# Altium PCB PIFWRobot.PcbDoc (part 1 of 2) (continued)
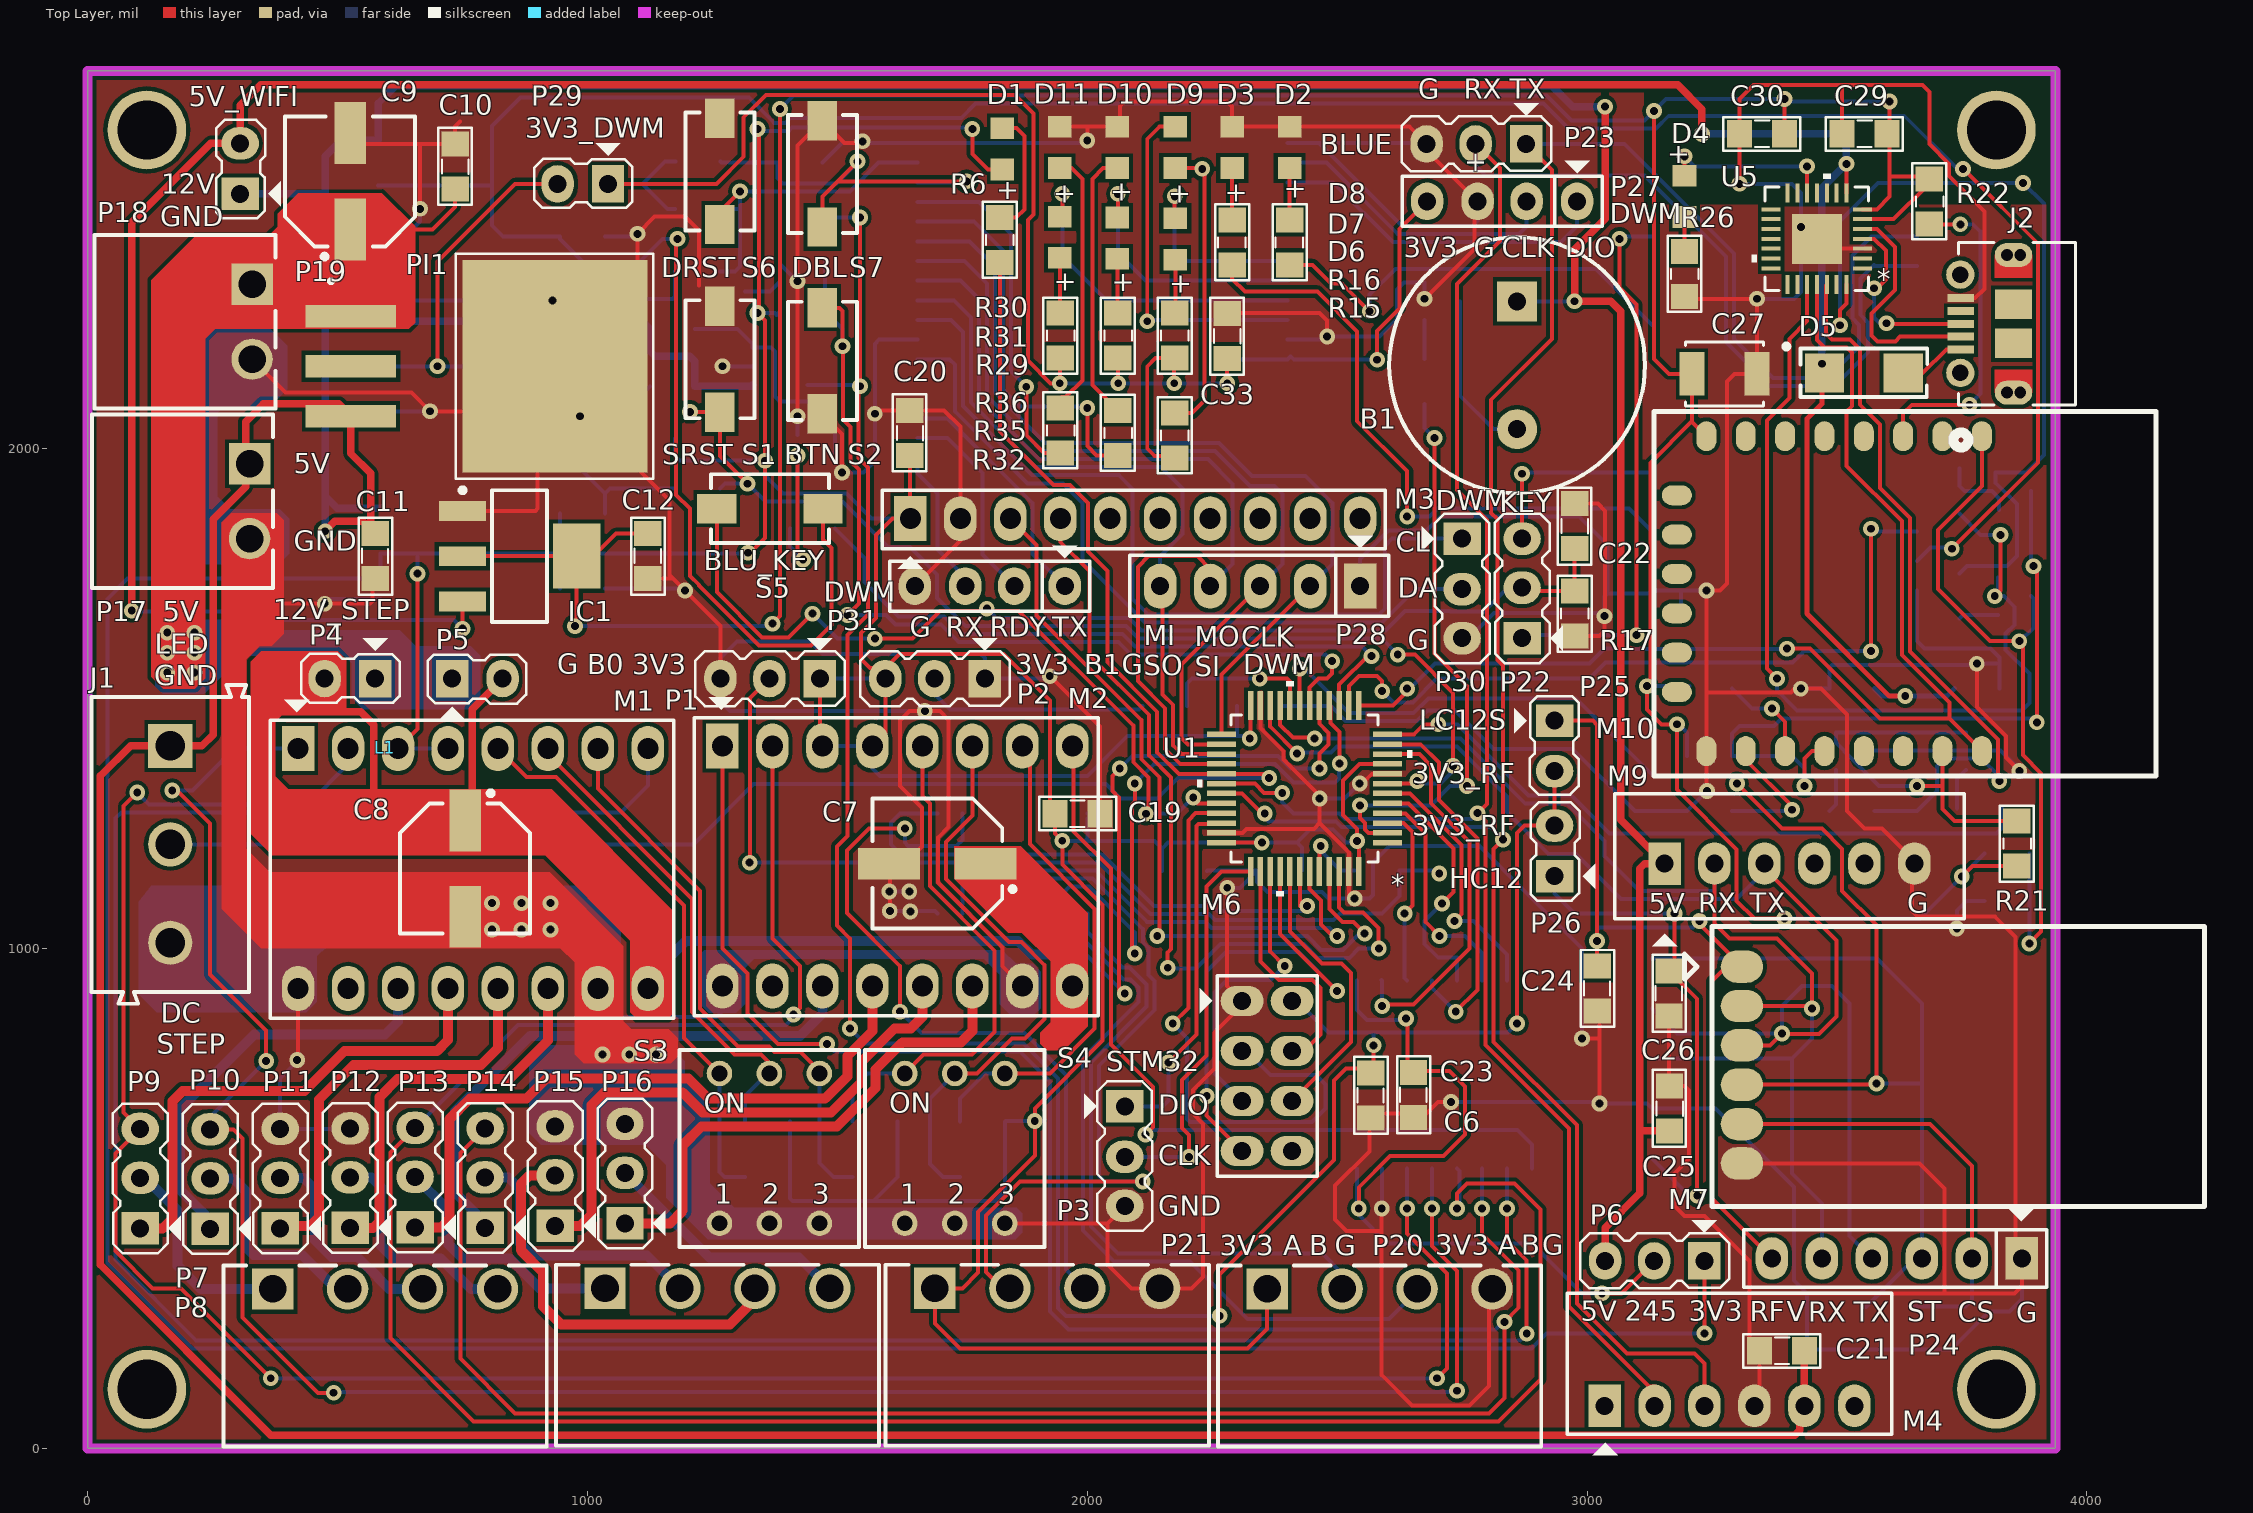
[diagram p0: Top Layer view]
## Footprints (in the part's own frame and the unit in brackets; to place one, negate y for a bottom-side part, rotate by r counter-clockwise, add the part's x,y. Pads: shape width x height; smd on the part's side, far side on the other; paste and mask are expansions set on the pad)
418117170903 [mm] "2.54 mm compact THT with flat actuator, 3p"
  round 1.3 hole 0.8: 1(-2.54,-3.81) 2(0,-3.81) 3(2.54,-3.81) 4(2.54,3.81) 5(0,3.81) 6(-2.54,3.81)
  silkscreen extent -4.56,-5 4.56,5, body extent -4.46,-4.95 4.46,4.95, height 5.75
434113043826 [mm] "SMD Tact Switch, body 6x3.5mm"
  rect 2x1.5 smd: 1(-2.7,0) 2(2.7,0)
  silkscreen extent -3,-1.75 3,1.75, body extent -3.65,-1.75 3.65,1.75, height 4.3
691111710003 [mm] "5,00mm - modular - green - Horizontal entry with pressure clamp - 10,0mm height - 03p"
  rect 2.25x2.25 hole 1.5: 1(-5,0)
  round 2.25 hole 1.5: 2(0,0) 3(5,0)
  silkscreen extent -8.1,-4 8.1,4, body extent -8.1,-4 8.1,4, height 11.05
691322310002 [mm] "Horizontal PCB Header, pitch 3.81mm, 02p"
  rect 2.1x2.1 hole 1.4: 1(-1.905,3.4)
  round 2.1 hole 1.4: 2(1.905,3.4)
  silkscreen extent -4.4,-4.6 4.41,4.6, body extent -4.4,-4.6 4.41,4.6, height 7.25
691322310004 [mm] "Horizontal PCB Header, pitch 3.81mm, 04p"
  rect 2.1x2.1 hole 1.4: 1(-5.715,3.4)
  round 2.1 hole 1.4: 2(-1.905,3.4) 3(1.905,3.4) 4(5.715,3.4)
  silkscreen extent -8.21,-4.6 8.22,4.6, body extent -8.21,-4.6 8.21,4.6, height 7.25
BUZZER [mil]
  rect 80x80 hole 36: 1(0,0)
  round 80 hole 36: 2(255.91,0)
  silkscreen extent -128,-256 384,256, body extent -108,-233 358,233, height 226
CAP-SM-0805 [mil]
  rect 50x55 smd: 1(0,0) 2(90,0)
  silkscreen extent -32,-34 122,33, body extent 4,-27 86,27, height 30
CAP-SM-AL-SIZE-D-D6L6 [mm] "WH6.6"
  rect 3.15x1.6 smd: 1(-2.45,0) 2(2.45,0)
  silkscreen extent -3.95,-3.3 3.3,3.3, body extent -3.9,-3.4 3.9,3.4, height 5.7
CAP_SM_TAN [mil]
  rect 49.98x87 smd: 1(-65,0) 2(65,0)
  silkscreen extent -78,-64 78,64, body extent -73,-60 73,58, height 85
CONN_105017-0001 [mil]
  rect 16x53 smd: 1(-51.18,112) 2(-25.59,112) 3(0,112) 4(25.59,112) 5(51.18,112)
  round 57 hole 33: 6(-98.43,112.98) 7(98.43,112.98)
  rect 59x75 smd: 10(-39.37,6.69) 11(39.37,6.69)
  oval 48x75 smd mask+0: S_1(-137.8,6.69) S_2(137.8,6.69)
  round 24 hole 24: S_1_H1(-137.8,20.19) S_1_H2(-137.8,-6.81) S_2_H1(137.8,20.19) S_2_H2(137.8,-6.81)
  Top Layer region: 91.8,-30.81 91.8,44.19 137.8,44.19 137.8,-30.81
  Top Layer region: -91.8,-30.81 -91.8,44.19 -137.8,44.19 -137.8,-30.81
  Multi-Layer lines w24: -137.8,20.19 -137.8,-6.81 ; 137.8,20.19 137.8,-6.81
  silkscreen extent -247,-117 162,127, body extent -161,-95 161,118, height 108
DRV8825 [mil]
  rect 90x65 hole 42: 1(0,0)
  oval 90x65 hole 42: 2(0,100) 3(0,200) 4(0,300) 5(0,400) 6(0,500) 7(0,600) 8(0,700) 9(480,700) 10(480,600) 11(480,500) 12(480,400) 13(480,300) 14(480,200) 15(480,100) 16(480,0)
  silkscreen extent -98,-56 540,752, body extent -55,-53 535,747, height 544
DWM1001 [mm] "DWM1001 MODULE"
  rect 2.54x0.65 smd: 1(0.16,17.15) 2(0.16,16.15) 3(0.16,15.15) 4(0.16,14.15) 5(0.16,13.15) 6(0.16,12.15) 7(0.16,11.15) 8(0.16,10.15) 9(0.16,9.15) 10(0.16,8.15) 11(0.16,7.15) 12(0.16,6.15) 13(0.16,5.15) 14(0.16,4.15) 15(0.16,3.15) 16(0.16,2.15) 17(0.16,1.15) 18(18.97,1.15) 19(18.97,2.15) 20(18.97,3.15) 21(18.97,4.15) 22(18.97,5.15) 23(18.97,6.15) 24(18.97,7.15) 25(18.97,8.15) 26(18.97,9.15) 27(18.97,10.15) 28(18.97,11.15) 29(18.97,12.15) 30(18.97,13.15) 31(18.97,14.15) 32(18.97,15.15) 33(18.97,16.15) 34(18.97,17.15)
  silkscreen extent 0,0 19.1,0.7, body extent 0,0 19.12,26.12, height 4.6
ESP8266-12F [mil]
  oval 60x40 smd: 1(0,551.18) 2(0,472.44) 3(0,393.7) 4(0,314.96) 5(0,236.22) 6(0,157.48) 7(0,78.74) 8(0,0) 15(630,0) 16(630,78.74) 17(630,157.48) 18(630,236.22) 19(630,314.96) 20(630,393.7) 21(630,472.44) 22(630,551.18)
  oval 40x60 smd: 9(118.11,-59.06) 10(196.85,-59.06) 11(275.59,-59.06) 12(354.33,-59.06) 13(433.07,-59.06) 14(511.81,-59.06)
  silkscreen extent -50,-105 680,900, body extent 0,-60 630,885, height 104
GY9250 [mil] "GY9250"
  rect 90x65 hole 42: 1(0,0)
  oval 90x65 hole 42: 2(0,100) 3(0,200) 4(0,300) 5(0,400) 6(0,500) 7(0,600) 8(0,700) 9(0,800) 10(0,900)
  silkscreen extent -57,-56 100,950, body extent -531,-50 60,950, height 267
HC12 [mil]
  oval 80x60 smd: 1(0,0) 2(0,100) 3(0,200) 4(0,300) 5(0,400)
  silkscreen extent -1100,-75 115,475, body extent -1086,-62 -4,462, height 79
HC-05-06-SMD [mil]
  oval 60x40 smd: 1(0,708.66) 2(0,649.61) 3(0,590.55) 4(0,531.5) 5(0,472.44) 6(0,413.39) 7(0,354.33) 8(0,236.22) 8(0,295.28) 10(0,177.17) 11(0,118.11) 12(0,59.06) 13(0,0) 22(530,0) 23(530,59.06) 24(530,118.11) 25(530,177.17) 26(530,236.22) 27(530,295.28) 28(530,354.33) 29(530,413.39) 30(530,472.44) 31(530,531.5) 32(530,590.55) 33(530,649.61) 34(530,708.66)
  oval 40x60 smd: 14(59.06,-59.06) 15(118.11,-59.06) 16(177.17,-59.06) 17(236.22,-59.06) 18(295.28,-59.06) 19(354.33,-59.06) 20(413.39,-59.06) 21(472.44,-59.06)
  silkscreen extent -50,-110 580,1050, body extent -10,-71 542,1031, height 93
HC-05-06-TH [mil]
  rect 85x65 hole 36: 1(-5,0)
  oval 85x65 hole 36: 2(-5,100) 3(-5,200) 4(-5,300) 5(-5,400) 6(-5,500)
  silkscreen extent -230,-75 94,575, body extent -220,-67 12,567, height 1500
HOLYBRO-RADIO [mil] "JP6"
  rect 85x65 hole 36: 1(0,0)
  oval 85x65 hole 36: 2(0,100) 3(0,200) 4(0,300) 5(0,400) 6(0,500)
  silkscreen extent -140,-100 165,600, body extent -135,-92 95,592, height 284
JP2 [mil]
  rect 65x75 hole 36: 1(0,0)
  oval 65x75 hole 36: 2(101,0)
  silkscreen extent -49,-81 148,48, body extent -48,-50 148,48, height 323
JP3 [mil] "Jumper 3"
  rect 65x75 hole 36: 1(-100,0)
  oval 65x75 hole 36: 2(1,0) 3(99,0)
  silkscreen extent -150,-81 149,55, body extent -150,-60 150,55, height 355
JP4 [mil] "Jumper 4"
  oval 65x75 hole 36: 1(-100,0) 2(1,0) 3(99,0) 4(200,0)
  silkscreen extent -150,-81 250,50, body extent -148,-48 248,50, height 323
JP5 [mil] "JP5"
  rect 65x90 hole 36: 1(0,0)
  oval 65x90 hole 36: 2(100,0) 3(200,0) 4(300,0) 5(400,0)
  silkscreen extent -57,-101 461,60, body extent -48,-53 448,45, height 323
JP6 [mil] "JP6"
  rect 65x85 hole 36: 1(0,0)
  oval 65x85 hole 36: 2(100,0) 3(200,0) 4(300,0) 5(400,0) 6(500,0)
  silkscreen extent -50,-99 556,58, body extent -48,-50 548,48, height 323
LC12S [mil]
  oval 85x65 smd: 1(0,0) 2(0,78.74) 3(0,157.48) 4(0,236.22) 5(0,314.96) 6(0,393.7)
  silkscreen extent -925,-80 115,480, body extent -912,-70 5,470, height 79
LQFP-48 [mil]
  rect 58x11 smd: 1(-166,108.27) 2(-166,88.58) 3(-166,68.9) 4(-166,49.21) 5(-166,29.53) 6(-166,9.84) 7(-166,-9.84) 8(-166,-29.53) 9(-166,-49.21) 10(-166,-68.9) 11(-166,-88.58) 12(-166,-108.27) 25(166,-108.27) 26(166,-88.58) 27(166,-68.9) 28(166,-49.21) 29(166,-29.53) 30(166,-9.84) 31(166,9.84) 32(166,29.53) 33(166,49.21) 34(166,68.9) 35(166,88.58) 36(166,108.27)
  rect 11x58 smd: 13(-108.27,-166) 14(-88.58,-166) 15(-68.9,-166) 16(-49.21,-166) 17(-29.53,-166) 18(-9.84,-166) 19(9.84,-166) 20(29.53,-166) 21(49.21,-166) 22(68.9,-166) 23(88.58,-166) 24(108.27,-166) 37(108.27,166) 38(88.58,166) 39(68.9,166) 40(49.21,166) 41(29.53,166) 42(9.84,166) 43(-9.84,166) 44(-29.53,166) 45(-49.21,166) 46(-68.9,166) 47(-88.58,166) 48(-108.27,166)
  silkscreen extent -215,-215 215,215, body extent -181,-181 181,181, height 63
NRF24L01 [mil]
  oval 86x60 hole 36: 1(0,0) 2(-100,0) 3(0,100) 4(-100,100) 5(0,200) 6(-100,200) 7(0,300) 8(-100,300)
  silkscreen extent -151,-51 85,350, body extent -2826,-150 87,450, height 3861
"PIF LOGO BOTTOM OVERLAY" [mil]
QFN28_5X5_SIL [mil]
  rect 38x8 smd: 1(-91.5,59.05) 2(-91.5,39.37) 3(-91.5,19.68) 4(-91.5,0) 5(-91.5,-19.68) 6(-91.5,-39.37) 7(-91.5,-59.06) 15(91.5,-59.06) 16(91.5,-39.37) 17(91.5,-19.68) 18(91.5,0) 19(91.5,19.68) 20(91.5,39.37) 21(91.5,59.06)
  rect 8x38 smd: 8(-59.06,-91.5) 9(-39.37,-91.5) 10(-19.69,-91.5) 11(0,-91.5) 12(19.69,-91.5) 13(39.37,-91.5) 14(59.06,-91.5) 22(59.06,91.5) 23(39.37,91.5) 24(19.69,91.5) 25(0,91.5) 26(-19.69,91.5) 27(-39.37,91.5) 28(-59.06,91.5)
  rect 100x100 smd paste-65.5 mask+0: 29(0,0)
  silkscreen extent -104,-130 130,104, body extent -98,-98 99,99, height 37
RES-SM-0805 [mil]
  rect 50x55 smd: 1(0,0) 2(90,0)
  silkscreen extent -31,-34 121,34, body extent -5,-24 95,25, height 20
SOT23_NEX [mil]
  rect 22x52 smd paste+0 mask+4: 1(-37.5,-37.21) 2(37.5,-37.21) 3(0,33.36)
  silkscreen extent -85,-50 64,33, body extent -59,-54 59,44, height 43
SOT108-1_NEX [mil]
  rect 60x21 smd: 1(200,0) 2(200,50) 3(200,100) 4(200,150) 5(200,200) 6(200,250) 7(200,300) 8(0,300) 9(0,250) 10(0,200) 11(0,150) 12(0,100) 13(0,50) 14(0,0)
  silkscreen extent 18,-33 185,330, body extent -22,-22 222,322, height 69
SOT163-1_NEX [mil]
  rect 67x21 smd: 1(0,0) 2(0,50) 3(0,100) 4(0,150) 5(0,200) 6(0,250) 7(0,300) 8(0,350) 9(0,400) 10(0,450) 11(-376,450) 12(-376,400) 13(-376,350) 14(-376,300) 15(-376,250) 16(-376,200) 17(-376,150) 18(-376,100) 19(-376,50) 20(-376,0)
  silkscreen extent -432,-36 56,486, body extent -397,-31 21,481, height 104
SOT223 [mm] "SOT223, 4-Leads, Body 6.5x3.5mm, Pitch 2.3mm, Lead Span 7mm, IPC Medium Density"
  rect 2.4x1 smd: 1(-2.9,2.3) 2(-2.9,0) 3(-2.9,-2.3)
  rect 2.4x3.3 smd: 4(2.9,0)
  silkscreen extent -3.02,-3.35 1.4,3.47, body extent -3.39,-3.27 3.5,3.23, height 1.72
SS14 [mm] "DO-214-AC/SMA Molded Diode, Body 5.3x2.6mm, IPC Medium Density"
  rect 1.999x1.999 smd: 1(-2,0) 2(2,0)
  silkscreen extent -4.06,-1.22 3.23,1.47, body extent -2.75,-1.4 2.75,1.4, height 2.3
TO254P1435X464-4N [mm]
  rect 1.15x4.6 smd: 1(0,0) 2(2.54,0) 3(5.08,0)
  rect 10.8x9.4 smd: 4(2.54,10.375)
  silkscreen extent -3.17,-1.12 8.25,15.37, body extent -2.54,-2.16 7.62,14.49, height 4.44
WL-SMCW_0805 [mm] "SMD Mono-color Chip LED, body 2.0x1.25mm"
  rect 1.1x1.2 smd: 1(-1.05,0) 2(1.05,0)
  body extent -1,-0.63 1,0.62, height 0.7
XC6204/05_SOT-00 [mil]
  rect 60x21 smd: 1(-54.75,37.4) 2(-54.75,0) 3(-54.75,-37.4) 4(54.75,-37.4) 5(54.75,37.4)
  silkscreen extent -38,-62 38,62, body extent -56,-57 54,57, height 51

## Part data
B1: Local Supplier Part Number="1209 DIP Buzzer 12x9mm", Local Supplier=thegioiic, Local Supplier Link=https://www.thegioiic.com/products/1209-dip-buzzer-12x9mm
C1 C2 C3 C4 C5 C6 C16 C19 C20 C21 C22 C23 C24 C25 C26 C28 C30 C32 C33 C34 C35: "CAP CER 0.1UF 50V Y5V 0805", Manufacturer="Samsung Electro-Mechanics", Manufacturer Part Number=CL21F104ZBCNNNC, Supplier 1 Part Number=1276-1007-1-ND, Local Supplier=thegioiic, Supplier 1=Digikey, Supplier 1 Link=https://www.digikey.com/product-detail/en/samsung-electro-mechanics/CL21F104ZBCNNNC/1276-1007-1-ND/3889093
  C1 C2 C3 C4 C5: Local Supplier Link=https://www.thegioiic.com/products/tu-gom-0805-100nf-0-1uf-50v
  C6 C16 C19 C20 C21 C22 C23 C24 C25 C26 C28 C30 C32 C33 C34 C35: Local Supplier Link=https://thegioiic.com/products/tu-100nf-0-1uf-50v-0805
C7 C8 C9: "CAP ALUM 100UF 20% 16V SMD", Manufacturer=Nichicon, Manufacturer Part Number=UWX1C101MCL1GB, Supplier 1 Part Number=493-2105-1-ND, Local Supplier=thegioiic, Local Supplier Link=https://www.thegioiic.com/products/tu-nhom-smd-100uf-16v-6-3x5-4mm, Supplier 1=Digikey, Supplier 1 Link=https://www.digikey.com/product-detail/en/nichicon/UWX1C101MCL1GB/493-2105-1-ND/590080
C10 C11 C12 C13 C14 C15 C17 C18 C29 C31: "CAP CER 10UF 50V X5R 0805", Manufacturer=Yageo, Manufacturer Part Number=CC0805KKX5R9BB106, Supplier 1 Part Number=311-3499-2-ND, Local Supplier=thegioiic, Local Supplier Link=https://www.thegioiic.com/products/tu-gom-0805-10uf-50v, Supplier 1=Digikey, Supplier 1 Link=https://www.digikey.com/product-detail/en/yageo/CC0805KKX5R9BB106/311-3499-2-ND/7164383
C27: library part Cap-Tan-100uF-16V, Manufacturer=Nichicon, Manufacturer Part Number=UWX1C101MCL1GB, Supplier 1 Part Number=493-2105-1-ND, Local Supplier=thegioiic, Local Supplier Link=https://www.thegioiic.com/products/tu-tantalum-100uf-16v-2312-tajc107k016rnj, Supplier 1=Digikey, Supplier 1 Link=https://www.digikey.com/product-detail/en/nichicon/UWX1C101MCL1GB/493-2105-1-ND/590080
D1 D3 D4 D6 D7 D10 D11: library part 0805-Red, "WL-SMCW SMT Mono-color Chip LED Waterclear, size 0805, Red, 2V, 140deg", Emitting Color=Red, Forward Voltage typ.=2V, Local Supplier Partnumber=x, Operating Temperature="-40 to +85degC", Part Number=150080RS75000, Chip Technology=AlInGaP, ComponentLink1Description=Manufacturer, ComponentLink1URL=http://www.we-online.de, ComponentLink2Description=Datasheet, ComponentLink2URL=https://www.we-online.com/catalog/datasheet/150080RS75000.pdf, Dominant Wavelength typ.=625nm, Local Supplier=thegioiic, Local Supplier Link=https://www.thegioiic.com/products/led-do-0805-dan-smd-trong-suot-harvatek, Luminous Intensity typ.=150mcd, Mounting Technology=SMT, Packaging="Tape and Reel", Peak Wavelength typ.=630nm, Published Date="December 2019", Publisher="Wurth Elektronik", Size=0805, Viewing Angle=140deg
D2 D8: library part 0805-Yellow, "WL-SMCW SMT Mono-color Chip LED Waterclear, size 0805, Yellow, 2V, 140deg", Emitting Color=Yellow, Forward Voltage typ.=2V, Local Supplier Part Number=x, Operating Temperature="-40 to +85degC", Part Number=150080YS75000, Chip Technology=AlInGaP, ComponentLink1Description=Manufacturer, ComponentLink1URL=http://www.we-online.de, ComponentLink2Description=Datasheet, ComponentLink2URL=https://www.we-online.com/catalog/datasheet/150080YS75000.pdf, Dominant Wavelength typ.=590nm, Local Supplier=thegioiic, Local Supplier Link=https://www.thegioiic.com/products/led-vang-0805-dan-smd-trong-suot-harvatek, Luminous Intensity typ.=120mcd, Mounting Technology=SMT, Packaging="Tape and Reel", Peak Wavelength typ.=595nm, Published Date="December 2019", Publisher="Wurth Elektronik", Size=0805, Viewing Angle=140deg
D5: library part Diode-SS14, "DIODE SCHOTTKY 40V 1A SMA", Manufacturer="ON Semiconductor", Supplier 1 Part Number=SS14CT-ND, Local Supplier=thegioiic, Local Supplier Link=https://www.thegioiic.com/products/ss14-sma-diode-schottky-1a-1n5819, Manufacturer Part Number=SS14, Supplier 1=Digikey, Supplier 1 Link=https://www.digikey.com/product-detail/en/on-semiconductor/SS14/SS14CT-ND/965729
D9: library part 0805-Green, "WL-SMCW SMT Mono-color Chip LED Waterclear, size 0805, Green, 3.2V, 140deg", Emitting Color=Green, Forward Voltage typ.=3.2V, Local Supplier Part Number=x, Operating Temperature="-40 to +85degC", Part Number=150080GS75000, Chip Technology=InGaN, ComponentLink1Description=Manufacturer, ComponentLink1URL=http://www.we-online.de, ComponentLink2Description=Datasheet, ComponentLink2URL=https://www.we-online.com/catalog/datasheet/150080GS75000.pdf, Dominant Wavelength typ.=525nm, Local Supplier=thegioiic, Local Supplier Link=https://www.thegioiic.com/products/led-xanh-la-0805-dan-smd-trong-suot-harvatek, Luminous Intensity typ.=450mcd, Mounting Technology=SMT, Packaging="Tape and Reel", Peak Wavelength typ.=515nm, Published Date="December 2019", Publisher="Wurth Elektronik", Size=0805, Viewing Angle=140deg
IC1 IC2 IC3 IC4: "Available in 1.8V, 2.5V, 2.85V, 3.3V, 5V, and  Adjustable Versions", Local Supplier=thegioiic, Local Supplier Link=https://www.thegioiic.com/products/ams1117-3-3v
J1: "WR-TBL Serie 111 Horizontal Entry Modular, Pressure Clamp, pitch 5mm, 3p", Local Supplier Part Number=x, Operating Temperature="-40 to +105degC", Rated Current [UL]=15A, Working Voltage [UL]=250VAC, Application="Pressure Clamp", Compliance="Lead free / RoHS", ComponentLink1Description=Manufacturer, ComponentLink1URL=http://www.we-online.de, ComponentLink2Description=Datasheet, ComponentLink2URL=https://katalog.we-online.de/em/datasheet/691111710003.pdf, Local Supplier=thegioiic, Local Supplier Link=https://www.thegioiic.com/products/kf126v-3-v-domino-3-chan-thang-5-08mm-han-pcb, Modularity=Yes, Mounting Technology=THT, Packaging=Box, Part Number=691111710003, PCB/Cable/Panel=PCB, Pin Number=3, Pitch=5mm, Published Date="October 2019", Publisher="Wurth Elektronik", Type=Horizontal
J2: "CONN RCPT USB2.0 MICRO B SMD R/A", Local Supplier Part Number=x, Built_By=EMA_Cory, Copyright="Copyright (C) 2018 Accelerated Designs. All rights reserved", Datasheet=https://www.molex.com/pdm_docs/sd/1050170001_sd.pdf, Local Supplier=thegioiic, Local Supplier Link=https://www.thegioiic.com/products/cong-usb-micro-b-2-0-dau-cai-5-chan-smd-v1, Manufacturer_Part_Number=105017-0001, RefDes=RefDes, SourceLibrary=Molex_2020-05-26, Type=DEV, Vendor="Molex Connector Corporation"
M9 M10 U6: Local Supplier Part Number=x
  M9: Local Supplier=x, Local Supplier Link=x, Supplier Link=https://www.lazada.vn/products/ld-holybro-433mhz-915-mhz-500-mw-thu-phat-vo-tuyen-xa-bo-v3-cho-pixhawk-4-dieu-khien-chuyen-bay-i430804435-s768474304.html?spm=a2o4n.searchlist.list.4.25396b19yIS9XO&search=1
  M10: Local Supplier=thegioiic, Local Supplier Link=https://www.thegioiic.com/products/esp-12f-esp8266-mach-thu-phat-wifi
  U6: Local Supplier=x, Local Supplier Link=x
P1 P2 P3 P6 P9 P10 P11 P12 P13 P14 P15 P16 P22 P23 P30: "Header, 3-Pin", Local Supplier Part Number=x, LatestRevisionDate=17-Jul-2002, LatestRevisionNote="Re-released for DXP Platform.", Local Supplier=thegioiic, Local Supplier Link=https://www.thegioiic.com/products/hang-rao-duc-don-2-54mm-40-chan-1-hang-cao-11-4mm-xuyen-lo, Publisher="Altium Limited"
P4 P5 P25 P26 P29: "Header, 2-Pin", Local Supplier Part Number=x, LatestRevisionDate=17-Jul-2002, LatestRevisionNote="Re-released for DXP Platform.", Local Supplier=thegioiic, Local Supplier Link=https://www.thegioiic.com/products/hang-rao-duc-don-2-54mm-40-chan-1-hang-cao-11-4mm-xuyen-lo, Publisher="Altium Limited"
P7 P8 P20 P21: "WR-TBL Serie 322 Horizontal PCB Header, Pluggable, pitch 3.81mm, 4p", Local Suplier Part Number=x, Operating Temperature="-40 to +105degC", Rated Current [UL]=10A, Working Voltage [UL]=300VAC, Application=Pluggable, Compliance=RoHS, ComponentLink1Description=Manufacturer, ComponentLink1URL=http://www.we-online.de, ComponentLink2Description=Datasheet, ComponentLink2URL=https://katalog.we-online.de/em/datasheet/691322310004.pdf, Local Supplier=thegioiic, Local Supplier Link=https://www.thegioiic.com/products/ul-3-81-4-r-terminal-block-plug-in-han-pcb-4-chan-cong-3-81mm-ulo, Modularity=No, Mounting Technology=THT, Packaging=Box, Part Number=691322310004, PCB/Cable/Panel=PCB, Pin Number=4, Pitch=3.81mm, Published Date="October 2019", Publisher="Wurth Elektronik", Type=Horizontal
P17 P18: "WR-TBL Serie 322 Horizontal PCB Header, Pluggable, pitch 3.81mm, 2p", Local Suppleir Part Number=x, Operating Temperature="-40 to +105degC", Rated Current [UL]=10A, Working Voltage [UL]=300VAC, Application=Pluggable, Compliance=RoHS, ComponentLink1Description=Manufacturer, ComponentLink1URL=http://www.we-online.de, ComponentLink2Description=Datasheet, ComponentLink2URL=https://katalog.we-online.de/em/datasheet/691322310002.pdf, Local Supplier=thegioiic, Local Supplier Link=https://www.thegioiic.com/products/kf-3-81-2-r-terminal-block-plug-in-han-pcb-2-chan-cong-3-81mm, Modularity=No, Mounting Technology=THT, Packaging=Box, Part Number=691322310002, PCB/Cable/Panel=PCB, Pin Number=2, Pitch=3.81mm, Published Date="October 2019", Publisher="Wurth Elektronik", Type=Horizontal
P19: "Header, 2-Pin", LatestRevisionDate=17-Jul-2002, LatestRevisionNote="Re-released for DXP Platform.", Publisher="Altium Limited"
P24: "Header, 6-Pin", Local Supplier Part Number=x, LatestRevisionDate=17-Jul-2002, LatestRevisionNote="Re-released for DXP Platform.", Local Supplier=thegioiic, Local Supplier Link=https://www.thegioiic.com/products/hang-rao-duc-don-2-54mm-40-chan-1-hang-cao-11-4mm-xuyen-lo, Publisher="Altium Limited"
P27 P31: "Header, 4-Pin", Local Supplier Part Number=x, LatestRevisionDate=17-Jul-2002, LatestRevisionNote="Re-released for DXP Platform.", Local Supplier=thegioiic, Local Supplier Link=https://www.thegioiic.com/products/hang-rao-duc-don-2-54mm-40-chan-1-hang-cao-11-4mm-xuyen-lo, Publisher="Altium Limited"
P28: "Header, 5-Pin", Local Supplier Part Number=x, LatestRevisionDate=17-Jul-2002, LatestRevisionNote="Re-released for DXP Platform.", Local Supplier=thegioiic, Local Supplier Link=https://www.thegioiic.com/products/hang-rao-duc-don-2-54mm-40-chan-1-hang-cao-11-4mm-xuyen-lo, Publisher="Altium Limited"
Q1: library part MMBT2222A
Q3 Q4: "P-Channel 20V 3.7A (Ta) 1.3W (Ta) Surface Mount Micro3™/SOT-23", Local Supplier=thegioiic, Local Supplier Link=https://www.thegioiic.com/products/irlml6402trpbf
R1 R2 R17 R33 R34: "RES 10K OHM 1% 1/4W 0805", Manufacturer="Stackpole Electronics Inc", Manufacturer Part Number=RNCP0805FTD10K0, Supplier 1 Part Number=RNCP0805FTD10K0CT-ND, Local Supplier=thegioiic, Local Supplier Link=https://www.thegioiic.com/products/dien-tro-10-kohm-0805-5, Supplier 1=Digikey, Supplier 1 Link=https://www.digikey.com/product-detail/en/stackpole-electronics-inc/RNCP0805FTD10K0/RNCP0805FTD10K0CT-ND/2240601
R3: "RES 15K OHM 1% 1/4W 0805", Manufacturer="TE Connectivity Passive Product", Manufacturer Part Number=CRGCQ0805F15K, Supplier 1 Part Number=A129763CT-ND, Local Supplier=thegioiic, Local Supplier Link=https://www.thegioiic.com/products/dien-tro-15-kohm-0805-5, Supplier 1=Digikey, Supplier 1 Link=https://www.digikey.com/product-detail/en/te-connectivity-passive-product/CRGCQ0805F15K/A129763CT-ND/8577595
R4 R5 R14: "RES 0 OHM JUMPER 0805", Manufacturer="Vishay Dale", Manufacturer Part Number=WSL080500000ZEA9, Supplier 1 Part Number=541-3928-1-ND, Local Supplier=thegioiic, Supplier 1=Digikey, Supplier 1 Link=https://www.digikey.com/product-detail/en/vishay-dale/WSL080500000ZEA9/541-3928-1-ND/7423223
  R4 R5: Local Supplier Link=https://www.thegioiic.com/products/dien-tro-100-kohm-0805-5
  R14: Local Supplier Link=https://thegioiic.com/products/dien-tro-0-ohm-0805-5
R6 R7 R8 R9 R10 R11 R12 R19 R21 R24 R26 R29 R30 R31 R32 R35 R36 R37 R38: "RES 1K OHM 1% 1/4W 0805", Manufacturer="Stackpole Electronics Inc", Manufacturer Part Number=RNCP0805FTD1K00, Supplier 1 Part Number=RNCP0805FTD1K00CT-ND, Local Supplier=thegioiic, Local Supplier Link=https://www.thegioiic.com/products/dien-tro-1-kohm-0805-5, Supplier 1=Digikey, Supplier 1 Link=https://www.digikey.com/product-detail/en/stackpole-electronics-inc/RNCP0805FTD1K00/RNCP0805FTD1K00CT-ND/2240568
R13: "RES SMD 4.7K OHM 5% 1/8W 0805", Manufacturer=Yageo, Manufacturer Part Number=RC0805JR-074K7L, Supplier 1 Part Number=311-4.7KARCT-ND, Local Supplier=thegioiic, Local Supplier Link=https://thegioiic.com/products/dien-tro-4-7k-ohm-0805-5, Supplier 1=Digikey, Supplier 1 Link=https://www.digikey.com/product-detail/en/yageo/RC0805JR-074K7L/311-4.7KARCT-ND/731274
R15 R16: "RES 470 OHM JUMPER 0805", Manufacturer=YAG6006CT-ND, Manufacturer Part Number=PE0805FRF7W0R047L, Local Supplier=thegioiic, Local Supplier Link=https://www.thegioiic.com/products/dien-tro-470-ohm-0805-5, Supplier 1=Digikey, Supplier 1 Link=https://www.digikey.com/product-detail/en/yageo/PE0805FRF7W0R047L/YAG6006CT-ND/9696460, Supplier 1 Part Number=YAG6006CT-ND
R18 R20 R22 R23 R25 R27 R28: "RES 12 KOHM JUMPER 0805", Manufacturer="Vishay Thin Film", Manufacturer Part Number=PAT0805E3121BST1, Supplier 1 Part Number=PAT0805E3121BST1-ND, Local Supplier=icdayroi, Local Supplier Link=https://icdayroi.com/dien-tro-12k-0805-1-goi-50-con, Supplier 1=Digikey, Supplier 1 Link=https://www.digikey.com/product-detail/en/vishay-thin-film/PAT0805E3121BST1/PAT0805E3121BST1-ND/2281536
S1 S2 S5 S6 S7: "WS-TASV J-Bend SMT Tact Switch 6x3.5mm, height 4.3mm, 260gf", Local Supplier Part Number=x, Operating Temperature="-40 to +85degC", Rated Current=50mA, Rated Voltage=12VDC, ComponentLink1Description=Manufacturer, ComponentLink1URL=http://www.we-online.de, ComponentLink2Description=Datasheet, ComponentLink2URL=https://katalog.we-online.com/em/datasheet/434113043826.pdf, Contact Material="Stainless Steel", Contact Plating=Silver, Height=4.3mm, Local Supplier=thegioiic, Local Supplier Link=https://www.thegioiic.com/products/nut-nhan-3-5x6mm-cao-5mm-2-chan-smd-dau-trang, Mounting Technology=SMT, Operation Force=260gf, Packaging="Tape and Reel", Part Number=434113043826, Published Date="September 2019", Publisher="Wurth Elektronik", Terminal Material="Copper Alloy", Terminal Plating=Silver, Washable=No
S3 S4: "WS-DITV Compact THT Dip Switch, Flat Actuator, pitch 2.54mm, 3p", Local Supplier Part Number=x, Operating Temperature="-40 to +85degC", Rated Current Non-Switching=100mA, Rated Current Switching=25mA, Rated Voltage Non-Switching=50VDC, Rated Voltage Switching=24VDC, Actuator Type="Flat Type", Circuit=SPST-NO, ComponentLink1Description=Manufacturer, ComponentLink1URL=http://www.we-online.de, ComponentLink2Description=Datasheet, ComponentLink2URL=https://katalog.we-online.com/em/datasheet/418117170903.pdf, Contact Material="Copper Alloy", Contact Plating=Gold, Local Supplier=thegioiic, Local Supplier Link=https://www.thegioiic.com/products/cong-tac-3-bit-dip-switch-xuyen-lo-2-54mm-mau-do, Mounting Technology=THT, Operation Force=800g, Packaging=Tube, Part Number=418117170903, Pitch=2.54mm, Pole Number=3, Published Date="September 2019", Publisher="Wurth Elektronik"
U1: Manufacturer="ST Electronic", Local Supplier=thegioiic, Local Supplier Link=https://www.thegioiic.com/products/stm32f103c8t6, Local Supplier Part Number=STM32F103C8T6, Manufacture Part Number=STM32F103C8T6
L1: Local Supplier=x, Local Supplier Link=x
M1 M2: Local Supplier=thegioiic, Local Supplier Link=https://www.thegioiic.com/products/stepstick-drv8825-mach-dieu-khien-dong-co-buoc
M3: Local Supplier=thegioiic, Local Supplier Link=https://www.thegioiic.com/products/gy-9250-mach-cam-bien-9dof
M4: Local Supplier=thegioiic, Local Supplier Link=https://www.thegioiic.com/products/hc-05-thu-phat-bluetooth-ra-chan-master-slave
M5: Local Supplier=thegioiic, Local Supplier Link=https://www.thegioiic.com/products/hc-05-thu-phat-bluetooth-chua-ra-chan-master-slave
M6: Local Supplier=thegioiic, Local Supplier Link=https://www.thegioiic.com/products/nrf24l01-pa-lna-thu-phat-rf-2-4ghz-1000m
M7: Local Supplier=thegioiic, Local Supplier Link=https://www.thegioiic.com/products/lc12s-mach-thu-phat-rf-2-4ghz-uart-128-kenh-120m
M8: Local Supplier=thegioiic, Local Supplier Link=https://www.thegioiic.com/products/hc-12-si4463-mach-thu-phat-rf-433mhz-1000m
PI1: Local Supplier=thegioiic, Local Supplier Link=https://www.thegioiic.com/products/l7805acd2t
Q2: Local Supplier=thegioiic, Local Supplier Link=https://www.thegioiic.com/products/mmbt3904-1am
Q5 Q6: Local Supplier=thegioiic, Local Supplier Link=https://www.thegioiic.com/products/mmss8050-h-tp
U2: Copyright="Copyright (C) 2016 Accelerated Designs. All rights reserved", Local Supplier=thegioiic, Local Supplier Link=https://www.thegioiic.com/products/74hc245d, Manufacturer_Part_Number=74HC245D,652, RefDes=RefDes, SourceLibrary=Nexperia_2018-05-2018, Type=DEV, Vendor=Nexperia
U3: Built_By=EMA_UL_Team, Copyright="Copyright (C) 2018 Accelerated Designs. All rights reserved", Local Supplier=thegioiic, Local Supplier Link=https://www.thegioiic.com/products/xc6204b332mr-g-ic-on-ap-3-3v-150ma, Manufacturer_Part_Number=XC6204B332MR, RefDes=RefDes, SourceLibrary=Torex_2016-07-05_1, Type=DEV, Vendor="Torex Semiconductor"
U4: Copyright="Copyright (C) 2016 Accelerated Designs. All rights reserved", Local Supplier=thegioiic, Local Supplier Link=https://www.thegioiic.com/products/74hc14d, Manufacturer_Part_Number=74HC14D,652, RefDes=RefDes, SourceLibrary=Nexperia_2018-05-2018, Type=DEV, Vendor=Nexperia
U5: Built_By=EMA_UL_Team, Copyright="Copyright (C) 2018 Accelerated Designs. All rights reserved", Local Supplier=thegioiic, Local Supplier Link=https://www.thegioiic.com/products/cp2102, Manufacturer_Part_Number=CP2102-GM, RefDes=RefDes, SourceLibrary=Silicon_Labs_2015-03-23, Type=DEV, Vendor="Silicon Labs"

## Free pads (board coordinates)
  round 157.48 hole 118.11: 48(118.11,118.11) 48(118.11,2637.8) 48(3818.9,118.11) 48(3818.9,2637.8)

## Via types
v1: diameter 31.5, hole 15.75, Top Layer to Bottom Layer, tented both sides, 228 vias
v2: diameter 31.5, hole 15.75, Top Layer to Bottom Layer, 1 vias

## Nets (pads, with @x,y where several pads share a name; then routed paths per layer and width w, separated by ;. In a path a pad name is that pad's centre, name@x,y a point inside that pad or via, vN(x,y) a via of type N, cw(c..) or ccw(c..) an arc to the next point about the centre after c; other vN are vias at no path point)
3V3_BLU: C18.2 IC4.2 IC4.4 M5.12 S5.2 | length 6184.3
  Top Layer w8: v1(1180,2420) 1177.25,2417.25 1177.25,1907.75 1205,1880 1205,1745.58 1222.75,1727.83 1222.75,1726.25 1342.75,1606.25 1447.25,1606.25 1488,1647 1488,1801.44 1471.3,1818.15 S5.2@1471.3,1880 ; v1(3730,1800) 3902.81,1972.82 3902.81,2410.18 v1@3759.38,2553.62
  Bottom Layer w8: IC4.2@580.83,2526.26 IC4.4@809.17,2526.26 ; v1(1180,2420) 1150,2420 1100,2370 995,2370 945,2420 C18.2@945,2425 830.71,2425 809.17,2446.54 IC4.4@809.17,2526.26 ; M5.12@3660,1775.39 3687.06,1802.45 v1@3730,1802.45 ; v1(3752.25,2559.5) 3741.44,2559.5 3634.7,2666.25 3163.49,2666.25 3137.99,2640.75 2962.62,2640.75 2912.53,2690.84 1776.6,2690.84 1748.01,2662.25 1406.49,2662.25 1396.49,2652.25 1373.51,2652.25 1323.01,2702.75 865.92,2702.75 809.17,2646 IC4.4@809.17,2526.26
3V3_DWM: C15.2 IC3.2 IC3.4 P29.2 | length 869.2
  Top Layer w8: v1(700,2165) 700,2375 855,2530 P29.2@940,2530
  Bottom Layer w8: IC3.2@590,2165 v1(700,2165) IC3.4@818.35,2165 C15.2@945,2165
3V3_DWM_M: C33.2 P27.4 P29.1 R29.2 R30.2 R31.2 R32.2 R33.2 R34.2 U6.12 | length 3332.9
  Top Layer w8: P29.1@1041,2530 1258,2530 1312.25,2584.25 1312.25,2663.25 1356.75,2707.75 1855.25,2707.75 1892,2671 1892,2469 1881,2458 1881,2176.42 1926.42,2131 v1(1945,2131) 1945,2180.36 R30.2@1946.07,2181.42 ; R31.2@2061.07,2181.42 2061.07,2135.93 v1@2062,2135 ; v1@2174,2133 2174,2180.42 R29.2@2175,2181.42 2136.42,2181.42 2120,2165 2120,2000 2135,1985 2171.61,1985 R32.2@2175,1981.61 ; v1@2280,2132 C33.2@2280,2180.42 ; v1(2580,2178.09) 2580,2235.76 2625,2280.76 2625,2440 P27.4@2680,2495
  Bottom Layer w8: P29.1@1041,2530 1110,2530 ; R33.2@1175,2480 1160,2480 1110,2530 ; R34.2@1176,2575 1155,2575 1110,2530 ; v1(1945,2131) v1(2062,2131) v1(2174,2131) 2279,2131 2280,2132 2280,2158.74 2300,2178.74 U6.12@2400.55,2178.74 2406.81,2185 2413.72,2178.09 v1(2580,2178.09) ; v1@2172,2135 2174,2133 v1@2178.11,2133
  other v1: 2280,2131
3V3_MC: C3.2 C4.2 C5.2 C13.2 C14.2 C19.2 C20.2 D1.2 IC2.2 IC2.4 M1.3 M1.4 M2.3 M2.4 M3.1 P1.1 P2.3 P6.1 P20.1 P21.1 R1.2 R2.2 R7.2 R8.2 R9.2 R10.2 R11.2 R12.2 U1.9 U1.24 U1.36 U1.48 U4.14 | length 15657.1
  Top Layer w8: M1.3@620.83,1400 660,1439.17 v1(660,1750) ; v1(1321,1792) 1326,1792 1355,1821 v1(1355,1976) 1355,2256.42 v1(1340,2271.42) 1342.75,2274.17 1342.75,2637.25 v1(1340,2640) 1340,2643.7 v1@1333.7,2650 ; P1.1@1465,1540 1465,1410 M2.3@1470,1405 ; M2.4@1570,1405 1596,1431 P2.3@1596,1540 P2.3@1596,1561 ; C20.2@1645,1986.61 1645,1860.94 M3.1@1645.94,1860 1610,1860 1577.25,1827.25 1577.25,1661.49 1547.25,1631.49 1547.25,1579 1565.25,1561 P2.3@1596,1561 ; v1(1770,2640) 1770,2590 1801.34,2558.66 D1.2@1830,2558.66 ; C19.2@1935.5,1270 C19.2@1935.5,1259.5 ; U1.36@2269,1211.73 v1(2349.31,1211.73) ; v1(2325,1420) 2326.73,1421.73 U1.24@2326.73,1486 ; P20.1@2360,318.86 2360,239 2321,200 1745,200 1695,250 P21.1@1695,320 1750.12,320 1781.41,351.29 1781.41,472.52 1895,586.11 v1(1895,655) 1895,680 2030.5,815.5 2030.5,1087.5 1950,1168 v1(1950,1215.51) 1935.5,1230.01 C19.2@1935.5,1259.5 ; U1.48@2543.27,1154 2543.27,1211.73 v1(2540,1215) 2540,1238.98 2511.49,1267.49 2511.49,1335.74 2544.97,1369.21 U1.9@2601,1369.21 ; v1(3235,230) P6.1@3235,375 ; P2.3@1596,1561 1624.5,1589.5 1832.47,1589.5 1925.5,1496.47 1925.5,1265 1930,1265 C19.2@1935.5,1259.5
  Bottom Layer w8: M1.3@620.83,1400 M1.4@720.83,1400 ; v1(660,1750) 660,1790 ; C14.2@945,1720 945,1790 ; C13.2@945,1870 945,1790 ; R1.2@1175,2020 1175,1985 1184,1976 v1(1355,1976) 1355,1946 1391,1910 1518,1910 1568,1860 M3.1@1645.94,1860 ; v1(1321,1792) 1319,1790 945,1790 ; v1(1340,2271.42) 1374.76,2271.42 1378.09,2268.09 R2.2@1385,2275 ; v1(1340,2640) 1342.75,2642.75 1349.24,2636.25 1403.12,2636.25 1409.62,2642.75 1762.65,2642.75 1770,2650.1 v1(1770,2640) ; R8.2@1405,654 R7.2@1405,543 1405,500 1410,495 1572,495 ; P1.1@1465,1540 P2.3@1596,1540 ; M2.3@1470,1405 M2.4@1570,1405 1570,1360 1585,1345 2000,1345 2080,1425 2300,1425 ; R10.2@1620,654 R9.2@1620,543 1572,495 ; v1(1895,655) 1836,655 R12.2@1835,654 R11.2@1835,543 1835,515 1815,495 1572,495 ; v1(1950,1215.51) 1995.51,1215.51 ; U4.14@2000,1270 2005,1265 2000,1260 2000,1220 1995.51,1215.51 ; C5.2@2150,1155 2150,1200 ; C3.2@2300,1485 2300,1425 ; v1@2325,1433.27 2330,1428.27 2325,1423.27 v1(2325,1420) 2320,1425 2300,1425 ; C4.2@2430,1156 2430,1201.73 2420,1211.73 ; v1(2540,1215) 2540,1211.73 2517.51,1211.73 2491.49,1237.75 2446.02,1237.75 2420,1211.73 ; v1(3235,230) 2919.24,230 2889.24,200 210,200 39.5,370.5 39.5,1699.5 80,1740 570,1740 585.83,1755.83 IC2.2@585.83,1790 660,1790 ; 660,1790 IC2.4@814.17,1790 945,1790 ; 1995.51,1215.51 2134.49,1215.51 2150,1200 ; 2150,1200 2161.73,1211.73 v1(2349.31,1211.73) 2420,1211.73
3V3_RF: C17.2 C23.2 M6.2 P25.2 P26.2 U3.5 | length 4871.4
  Top Layer w8: v1(1525,840) 1525,1019.54 1498.84,1045.69 1498.84,1204.31 1520,1225.46 1520,1626.87 1561.25,1668.12 1561.25,1962.49 1542.25,1981.49 1542.25,2122.25 v1(1545,2125) v1(1545,2462.8) ; v1(2265,265) 2265,348 2494,577 2494,736 2518,760 2564.39,760 2573,768.61 v1(2573,806.22) ; v1(2860,850) 2860,1231.42 2874.58,1246 P26.2@2935,1246 P25.2@2935,1355
  Bottom Layer w8: U3.5@1439.75,2127.6 1542.4,2127.6 v1(1545,2125) ; C17.2@1475,2465 1477.2,2462.8 v1(1545,2462.8) ; v1(1525,840) 1555,810 1871.97,810 1941.66,740.31 1941.66,280.34 1957,265 v1(2265,265) ; M6.2@2410,895 2420,895 2482.75,832.25 2570,832.25 ; v1(2573,806.22) 2573,829.25 2570,832.25 ; v1(2860,850) 2842.25,832.25 2570,832.25
3V3_WIFI: C12.2 C27.1 C29.2 C30.2 IC1.2 IC1.4 M10.8 R18.1 R20.1 R21.2 R22.1 R23.1 U5.6 U5.7 | length 7511.6
  Top Layer w8: IC1.2@750,1785 IC1.4@978.35,1785 ; v1(975,1645) 978.35,1648.35 IC1.4@978.35,1785 ; C12.2@1120.83,1830 1056.85,1830 1011.85,1785 IC1.4@978.35,1785 ; v1(1370,1650) 1385,1665 v1(1385,2680) ; v1(3134,2676) 3134,2180 3164,2150 C27.1@3210,2150 3210,2053.82 M10.8@3238.82,2025 3209.41,2054.41 3126.75,1971.75 3126.75,1531.75 v1(3120,1525) 3120,1478 3149.32,1448.68 v1(3180,1448.68) 3180,1317.93 3299.5,1198.43 3299.5,1095.5 3335,1060 v1(3395,1060) ; C30.2@3395,2630 v1(3395,2700) ; U5.6@3551.5,2459.37 3613.37,2459.37 3680,2526 3680,2545 3605,2545 ; U5.7@3551.5,2479.06 3579.81,2479.06 3605,2504.24 3605,2545 ; v1(3605,2695) 3605,2545 ; v1(3750,1144) 3771,1165 R21.2@3860,1165
  Bottom Layer w8: v1(975,1645) 1365,1645 v1(1370,1650) ; v1(1385,2680) 1411.84,2706.84 2919.16,2706.84 2969.25,2656.75 3114.75,2656.75 v1(3134,2676) 3158,2700 v1(3395,2700) 3400,2695 v1(3605,2695) ; v1(3120,1525) 3205,1525 R20.1@3200,1520 ; v1(3180,1448.68) 3183.82,1448.68 3200,1432.5 R18.1@3200,1385 ; v1(3395,1060) 3666,1060 v1(3750,1144) 3750,1145 R23.1@3795,1190
5V: B1.1 C11.2 C16.2 C21.2 C25.2 IC2.3 IC3.3 IC4.3 J1.1 M4.5 M9.1 P6.3 P17.1 P19.1 PI1.3 R13.2 U3.1 | length 13631.2
  Top Layer w15: v1(475,1835) 494.67,1854.67 550.33,1854.67 C11.2@566,1839 ; C11.2@575,1830 C11.2@566,1839 ; P6.3@3036,375 3036,441 3105,510 3105,635 ; C25.2@3165,635 3105,635 ; C21.2@3435,195 M4.5@3435,85 3426,76 3426,36 3416,26 366.42,26 25.5,366.92 25.5,1345.5 85.71,1405.71 164.5,1405.71 J1.1@165,1405.21 228.21,1405.21 251,1428 251,1859 316,1924 316,1962.14 P17.1@323.86,1970 316,1977.86 316,2054 351.67,2089.67 501.86,2089.67 PI1.3@526.54,2065 526.54,1990.46 566,1951 C11.2@566,1839 ; v1(3036,2684.5) 3029.5,2684.5 3036,2691 v1(3036,2684.5) ; v1(3036,2684.5) 3036,2460 2975,2399 v1(2975,2295) 3047.35,2295 3067.25,2275.1 3067.25,1257.75 M9.1@3155,1170 3115,1170 3105,1160 3105,635
  Bottom Layer w8: B1.1@2860,2295 2866.18,2301.18 2872.36,2295 v1(2975,2295)
  Bottom Layer w15: P19.1@305,2510 475,2510 ; v1(475,1835) 475,1905 ; IC2.3@585.83,1880.55 499.45,1880.55 475,1905 ; U3.1@1330.25,2127.6 1327.65,2125 C16.2@1215,2125 1215,2175 1205,2185 1135,2185 1125,2195 R13.2@1125,2240 1109.45,2255.55 IC3.3@590,2255.55 509.45,2255.55 475,2290 ; v1(3036,2684.5) 2971.38,2684.5 2929.54,2726.34 616.34,2726.34 580.83,2690.83 IC4.3@580.83,2616.81 506.81,2616.81 475,2585 475,2510 ; 475,1905 475,2290 ; 475,2290 475,2510
5V_USB: D5.2 J2.1 | length 132.6
  Top Layer w8: D5.2@3635,2151.57 3671.57,2151.57 3718.82,2198.82 J2.1@3748,2198.82
5V_WIFI: C31.2 C32.2 D5.1 IC1.3 P19.2 U5.8 | length 6648.9
  Top Layer w8: v1(750,1640) IC1.3@750,1694.45 ; U5.8@3519.06,2511.5 v1(3519.06,2570)
  Top Layer w10: v1(3470,2170) D5.1@3470,2146.54 ; D5.1@3475.04,2151.57 D5.1@3470,2146.54 ; v1(3636.75,1505) 3605,1505 3440,1670 3440,2060 3470,2090 D5.1@3470,2146.54
  Top Layer w15: v1(88,1676) 88,2453 246,2611 P19.2@305,2611 305,2687 345.91,2727.91 3181.09,2727.91 3230,2679 v1(3230,2630)
  Bottom Layer w8: v1(88,1676) 88,1673.92 297.08,1673.92 313.72,1657.28 732.72,1657.28 v1(750,1640)
  Bottom Layer w10: C31.2@3575,1520 3590,1505 v1(3636.75,1505) 3720,1505 C32.2@3735,1520
  Bottom Layer w15: v1(3230,2630) 3493,2630 3519.06,2603.94 v1(3519.06,2570) 3470,2520.94 v1(3470,2170)
12V: C9.1 C10.2 P4.1 P5.1 P18.1 PI1.1 | length 2047.1
  Top Layer w8: v1@210,1590 220,1590 210,1600 210,2270 269.05,2329.05 P18.1@328.86,2329.05 500.63,2329.05 ; PI1.1@526.54,2265 526.54,2303.14 500.63,2329.05 ; C10.2@735,2520 735,2483.7 689.84,2438.54 C9.1@525,2438.54 525,2353.43 500.63,2329.05
  Bottom Layer w8: v1@210,1590 225,1605 555,1605 575,1585 P4.1@575,1540 P5.1@729,1540
  other v1: 159,1552 213.5,1552 159,1592 213.5,1592 159,1632 213.5,1632
12V_STEP: C7.1 C8.1 M1.9 M2.9 P4.2 P5.2 | length 2651.8
  Top Layer w8: C7.1@1796.46,1170 1796.46,1151.35 1970,977.81 M2.9@1970,925
  Top Layer w15: P4.2@474,1540 474,1481 481,1474 546,1474 572,1448 572,1313 628.54,1256.46 C8.1@755,1256.46 ; P5.2@830,1540 769,1479 769,1270.46 C8.1@755,1256.46 ; M1.9@1120.83,920 1120.83,1002.17 866.54,1256.46 C8.1@755,1256.46
  Bottom Layer w20: M1.9@1120.83,920 1120.83,939.33 1196.75,1015.25 1861.64,1015.25 1888.89,988 1937,988 1970,955 M2.9@1970,925
BLU_KEY: C22.2 P22.2 R17.1 S5.1 U1.32 | length 2876.2
  Top Layer w8: S5.1@1258.7,1880 1258.7,1712.93 1349.38,1622.25 1402.25,1622.25 v1(1450,1670) ; v1(1575,1620) 1650,1620 1705.5,1675.5 1794.5,1675.5 v1(1799,1680) 1803.5,1675.5 1862.39,1675.5 2092,1445.89 2092,1372.75 2122.75,1342 2122.75,1286.18 2121.75,1285.18 2121.75,1274.24 v1(2117.25,1269.75) ; v1(2212,1302) 2212,1299.07 2220.6,1290.47 U1.32@2269,1290.47 ; P22.2@2870,1716 2871,1715 R17.1@2975,1715 C22.2@2975,1800
  Bottom Layer w8: v1(1450,1670) 1500,1620 v1(1575,1620) ; v1(1799,1680) 1818,1661 2083.75,1661 2108.75,1636 2596.67,1636 2635.67,1675 2726.07,1675 2726.57,1674.5 2793.93,1674.5 2835.43,1716 P22.2@2870,1716 ; v1(2117.25,1269.75) 2179.75,1269.75 v1(2212,1302)
BLU_KEY_HC05: M5.34 P22.1 | length 1108.1
  Top Layer w8: v1(3065,2420) 3065,2322.55 3099,2288.55 v1(3099,1627)
  Bottom Layer w8: P22.1@2870,1615 2882,1627 v1(3099,1627) ; v1(3065,2420) 3070,2425 M5.34@3130,2425
BLU_KEY_HC06: M5.26 P22.3 | length 397.1
  Top Layer w8: P22.3@2870,1814 v1(2870,1950)
  Bottom Layer w8: v1(2870,1950) 2872.56,1952.56 M5.26@3130,1952.56
BLUE_RX: M4.2 M5.2 P23.2 U1.30 | length 4741.1
  Top Layer w8: U1.30@2269,1329.84 2335.16,1329.84 2353.54,1311.46 v1(2390,1311.46) ; P23.2@2777,2610 2825.5,2561.5 2825.5,2415.5 2740,2330 2740,1916.97 2799.5,1857.47 2799.5,1289.29 v1(2781,1270.79) 2797,1254.79 2797,806.74 2964,639.74 2964,283.37 3123.87,123.5 3135,123.5 M4.2@3135,85
  Bottom Layer w8: v1(2390,1311.46) 2390,1292.79 2413.04,1269.75 2504.75,1269.75 2515.75,1258.75 2768.96,1258.75 v1(2781,1270.79) ; P23.2@2777,2610 2777,2567 2797,2547 3115.37,2547 3278,2384.37 3278,2213.37 3365.37,2126 3495,2126 3562,2193 3562,2252.37 3558.5,2255.87 3558.5,2256.37 3546.75,2268.12 3546.75,2340.25 3574.5,2368 3576.56,2365.94 M5.2@3660,2365.94
BLUE_TX: M4.3 M5.1 P23.1 U1.31 | length 4794.9
  Top Layer w8: U1.31@2269,1310.16 2309.16,1310.16 2349.31,1270 v1(2355,1270) ; P23.1@2878,2610 2930,2558 2930,2220 2808,2098 2808,1871.6 2820.5,1859.1 2820.5,1577.53 2832,1566.03 v1(2832,1218) 2813,1199 2813,813.37 2980,646.37 2980,290 3080,190 3215,190 3235,170 M4.3@3235,85
  Bottom Layer w8: v1(2355,1270) 2355,1264.06 2353.54,1262.6 2362.39,1253.75 2498.12,1253.75 2509.12,1242.75 2807.25,1242.75 v1(2832,1218) ; P23.1@2878,2610 3075,2610 3294,2391 3294,2220 3372,2142 3481.24,2142 3544,2204.76 3544,2247.75 3542.5,2249.25 3542.5,2249.74 3530.75,2261.49 3530.75,2386.75 3569,2425 M5.1@3660,2425
BOOT0: P1.2 R4.2 | length 1886.1
  Top Layer w8: v1@1325.5,1170.72 1325.5,1501.5 P1.2@1364,1540
  Bottom Layer w8: v1(1324.46,1171.76) 2023.59,1171.76 2126.6,1068.75 2243.57,1068.75 2255.57,1056.75 2492.51,1056.75 2505.76,1070 2590,1070 2625,1105 R4.2@2625,1156 2698.24,1156 v1(2704.24,1150)
BOOT1: P2.2 R5.1 | length 462.7
  Bottom Layer w8: P2.2@1694,1540 1694,1509 1725,1478 2103,1478 R5.1@2110,1485
BTN: C2.2 R2.1 S2.2 U1.18 | length 1984.5
  Top Layer w8: S2.2@1470,2281.3 1504.05,2281.3 1510,2275.35 v1(1510,2205) 1511.53,2203.47 1511.53,2058.47 1526.25,2043.75 1526.25,1974.86 1542.8,1958.32 1542.8,1690.3 v1(1520,1667.5) ; U1.18@2444.84,1486 2444.84,1521.96 2462.88,1540 2480,1540 2490,1550 v1(2490,1575)
  Bottom Layer w8: C2.2@1475,2375.59 R2.1@1475,2275 1510,2240 v1(1510,2205) ; v1(1520,1667.5) 1597.25,1667.5 1616,1648.75 1707.06,1648.75 1742.81,1613 2062,1613 2087,1588 2477,1588 v1(2490,1575)
BUZZER: R3.1 U1.2 | length 1130.7
  Top Layer w8: v1(2545.76,1286.5) 2545.76,1261.23 2556,1250.99 2556,1238.24 2562.82,1231.42 U1.2@2601,1231.42 ; v1(2695,2021.26) 2695,1590 2760,1525 v1(2760,1325)
  Bottom Layer w8: v1(2545.76,1286.5) 2687.75,1286.5 2726.25,1325 v1(2760,1325) ; R3.1@2675,2090 2675,2041.26 v1(2695,2021.26)
CP2102_DTR: Q6.2 R27.1 U5.28 | length 1680.7
  Top Layer w8: v1(3506,2247) 3506,2278 3519.06,2291.06 U5.28@3519.06,2328.5
  Bottom Layer w8: v1(3506,2247) 3506,2456 3581.76,2531.76 v1(3872.49,2531.76) 3914,2490.24 3914,1987 3879.5,1952.5 Q6.2@3817.79,1952.5 3817.79,1931.47 3860,1889.26 3860,1785 3840.5,1765.5 3760.5,1765.5 R27.1@3745,1750
CP2102_RTS: Q5.2 R28.2 U5.24 | length 1917.5
  Top Layer w8: v1(3380,1540) 3360,1560 3360,2056.48 3405,2101.48 3405,2220 3440.31,2255.32 U5.24@3440.31,2328.5 ; v1(3815.81,1705) 3827.31,1716.49 v1(3827.31,1827.75)
  Bottom Layer w8: v1(3380,1540) 3380,1516.75 3420.44,1476.31 3870,1476.31 3885,1491.31 3885,1550 3837.25,1597.75 3837.25,1630 3855,1647.75 3855,1649.95 3855.79,1650.74 3855.79,1683.47 3834.26,1705 v1(3815.81,1705) 3822.79,1711.97 Q5.2@3822.79,1742.5 ; R28.2@3745,1870 3787.25,1827.75 v1(3827.31,1827.75)
DWM_BLE_WK: C35.2 R34.1 S7.2 U6.32 | length 848.6
  Top Layer w8: S7.2@1470,2443.7 1470,2505 1500,2535 ; v1(1540,2575) 1500,2535 ; v1(1758.78,2535) 1500,2535
  Bottom Layer w8: R34.1@1266,2575 1268.56,2572.44 C35.2@1380,2572.44 1380,2541.24 1390.24,2531 1498.03,2531 1540,2572.97 v1(1540,2575) ; U6.32@1660,2533.07 1756.85,2533.07 v1(1758.78,2535)
DWM_nRST: C34.2 R33.1 S6.2 U6.33 | length 695.8
  Top Layer w8: S6.2@1265,2448.7 1265,2475 v1(1305,2515)
  Bottom Layer w8: C34.2@1265,2355 1295,2355 1305,2365 1305,2480 ; R33.1@1265,2480 1305,2480 ; U6.33@1660,2572.44 1582.44,2572.44 1525,2515 v1(1305,2515) 1305,2480
DWM_READY: P31.2 U6.19 | length 412
  Bottom Layer w8: U6.19@1660,2021.26 1720.35,2021.26 1790.44,1951.17 1790.44,1788.56 P31.2@1854,1725
DWM_RX: P31.3 U6.18 | length 296.7
  Bottom Layer w8: U6.18@1660,1981.89 1660,1950 1700,1910 1700,1798.11 1756,1742.11 P31.3@1756,1725
DWM_RX_LED: R36.2 U6.31 | length 712
  Top Layer w8: v1(1878,2124) 1878,2027 1913.39,1991.61 R36.2@1946.07,1991.61
  Bottom Layer w8: U6.31@1660,2493.7 1783.3,2493.7 1847,2430 1847,2155 v1(1878,2124)
DWM_SCL: P30.1 U6.25 | length 1686.2
  Bottom Layer w8: U6.25@1660,2257.48 1727.52,2257.48 1751,2234 1751,2085.86 1889.86,1947 2063,1947 2090.44,1919.56 2090.44,1699.56 2122,1668 2583.42,1668 2595.25,1679.84 2595.25,1805.25 2610,1820 P30.1@2750,1820
DWM_SDA: P30.2 U6.23 | length 1457.3
  Bottom Layer w8: U6.23@1660,2178.74 1724.41,2178.74 1735,2168.15 1735,2075 1880,1930 1951.38,1930 1990.44,1890.93 1990.44,1776.93 2115.37,1652 2590.04,1652 2657.04,1719 P30.2@2750,1719
DWM_SPI_CLK: P28.3 U1.26 U6.28 | length 1712.6
  Top Layer w8: U1.26@2269,1408.58 2201.42,1408.58 2189,1421 2189,1568.06 P28.3@2345.94,1725
  Bottom Layer w8: U6.28@1660,2375.59 1754.41,2375.59 1799,2331 1799,2105.75 1909.13,1995.61 1939.39,1995.61 1940,1995 2255.44,1995 2325.44,1925 2375,1925 2390.44,1909.56 2390.44,1769.5 P28.3@2345.94,1725